# Altium PCB LimeSDR_Mini_1v1_Rounded_soldermask.PcbDoc (part 4 of 5) (continued)
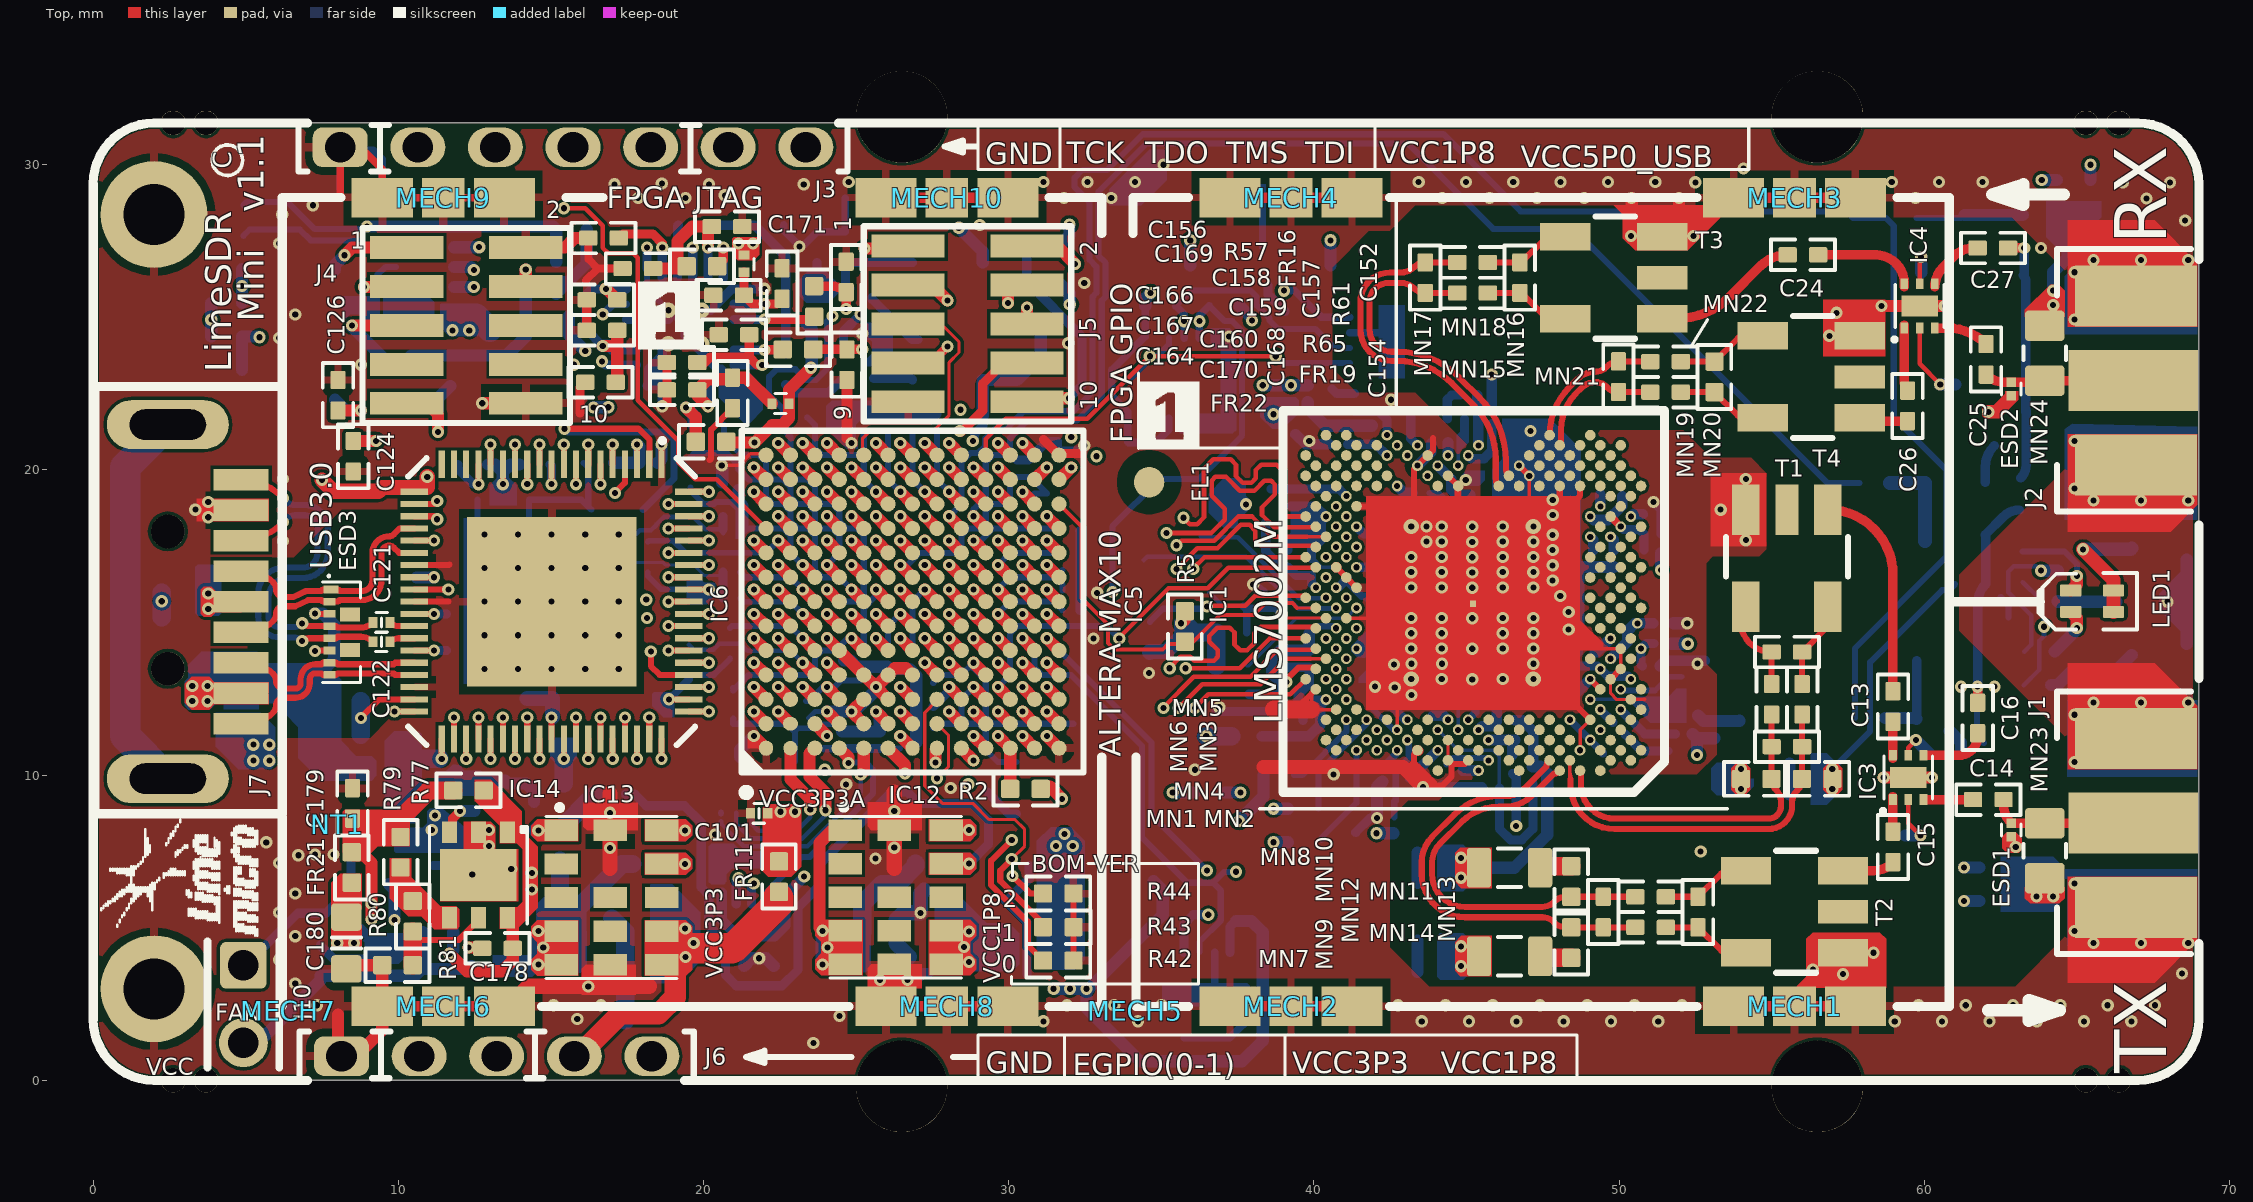
[diagram p0: Top view]
## Nets (pads, with @x,y where several pads share a name; then routed paths per layer and width w, separated by ;. In a path a pad name is that pad's centre, name@x,y a point inside that pad or via, vN(x,y) a via of type N, cw(c..) or ccw(c..) an arc to the next point about the centre after c; other vN are vias at no path point) (continued)
TX2_1_A_P: IC1.A9 MN10.1 MN11.2 MN12.1 | length 13.2
  Top w0.2: IC1.A9@48.057,10.151 48.022,10.116 cw(c47.864,10.274) 47.864,10.051 47.128,9.315 cw(c46.308,10.136) 46.308,8.975 46.075,8.975 ccw(c46.075,7.225) 44.837,8.462 44.125,7.75 ccw(c44.729,7.146) 43.875,7.146 43.875,6.76 ccw(c44.95,6.76) 44.95,5.685 47.495,5.685 ccw(c47.495,6.193) 47.854,5.834 47.886,5.866 cw(c48.246,5.507) 48.246,6.015 MN10.1@48.435,6.015 48.835,6.015 MN12.1@49.485,6.015 MN11.2@50.535,6.015
TX2_1_B_N: MN13.1 MN14.2 T2.4 | length 3.2
  Top w0.2: MN14.2@51.535,5.015 51.935,5.015 MN13.1@52.585,5.015 53.344,4.257 ccw(c53.975,4.888) T2.4@53.975,3.995 ; T2.4@53.605,3.995 T2.4@53.95,3.995
TX2_1_B_P: MN11.1 MN13.2 T2.6 | length 2.8
  Top w0.2: MN11.1@51.535,6.015 MN13.2@52.585,6.015 53.344,6.773 cw(c53.975,6.142) T2.6@53.975,7.035
TX_LB_AT: C19.1 IC5.K10 R17.2 | length 44.4
  Top w0.4: v2(28.85,18.485) IC5.K10@29.25,18.085
  Bottom w0.2: v2(28.85,18.485) 28.85,18.719 29.25,19.119 29.25,19.451 29.25,20.251 29.484,20.485 29.816,20.485 30.05,20.719 30.05,21.051 30.624,21.625 32.24,21.625 33.05,22.435 33.05,25.551 33.175,25.676 33.175,26.784 32.95,27.009 32.95,29.125 34.525,30.7 43.075,30.7 45.875,27.9 48.5,27.9 C19.1@56.825,19.575 R17.2@57.875,19.575
TX_LB_SH: C20.1 C23.1 IC5.J10 R22.1 R25.2 | length 62
  Top w0.4: v2(28.05,18.485) IC5.J10@28.45,18.085
  Bottom w0.2: v2(28.05,18.485) 28.45,18.885 28.45,20.251 28.749,20.55 28.991,20.55 29.225,20.784 29.225,21.026 29.525,21.326 29.901,21.326 30.5,21.925 32.116,21.925 32.75,22.559 32.75,25.675 32.875,25.8 32.875,26.66 32.65,26.885 32.65,28.775 32.159,29.266 32.159,29.575 32.419,29.835 33.236,29.835 34.401,31 44.25,31 46.775,28.475 57.45,28.475 C20.1@57.675,28.25 R22.1@58.75,28.25 59,28 59,21.725 60.725,20 60.725,17.15 57.725,14.15 R25.2@57.725,11.875
TXPLL_CLK: C152.2 IC1.E5 R61.1 | length 35.1
  Top w0.309: R61.1@23.625,26.025 24.192,26.025 cw(c24.192,25.342) C152.2@24.675,25.825 v1(24.675,25.275)
  L5 w0.1: v1(24.675,25.275) 24.675,23.975 ccw(c25.2,23.975) 25.2,23.45 25.789,23.45 cw(c25.789,22.615) 26.379,23.206 ccw(c27.238,24.064) 26.501,23.099 ccw(c27.238,24.064) 27.238,22.85 32.451,22.85 cw(c32.451,21.826) 33.175,22.55 33.231,22.494 ccw(c35.027,24.29) 35.027,21.75 36.148,21.75 cw(c36.148,19.21) 37.944,21.006 38.531,20.419 ccw(c40.327,22.215) 40.327,19.675 41.15,19.675 cw(c41.15,18.4) 42.425,18.4 42.425,16.525 ccw(c43.3,16.525) 43.3,15.65 47.325,15.65 cw(c47.325,15) 47.975,15 47.975,13.725 ccw(c49.974,13.725) 48.56,12.312 v3(49.389,11.483)
USB_D_N: ESD3.2 IC6.25 J7.2 | length 7.6
  Top w0.2: J7.2@4.85,14.685 5.022,14.685 ccw(c5.022,15.923) 5.897,15.047 ccw(c5.65,15.295) 6,15.295 cw(c6.24,15.295) 6.24,15.535 6.625,15.535 7.05,15.735 7.48,15.735 7.53,15.685 ESD3.2@7.742,15.685 ; ESD3.2@7.818,15.685 8.03,15.685 8.08,15.735 8.805,15.735 ccw(c8.805,16.38) 9.45,16.38 9.45,17.275 cw(c9.695,17.275) 9.695,17.52 ; 9.7,17.52 cw(c9.7,17.303) 9.853,17.457 10.025,17.285 IC6.25@10.525,17.285
USB_D_P: ESD3.1 IC6.23 J7.3 | length 8.2
  Top w0.2: J7.3@4.65,16.65 4.685,16.685 J7.3@4.85,16.685 J7.3@5.022,16.685 ; J7.3@5.39,16.685 J7.3@5.022,16.685 ; ESD3.1@7.742,16.085 7.53,16.085 7.48,16.035 6.975,16.035 6.55,15.835 6.24,15.835 cw(c6.24,16.075) 6,16.075 ccw(c5.65,16.075) 5.897,16.323 ccw(c5.022,15.447) J7.3@5.022,16.685 ; ESD3.1@7.818,16.085 8.03,16.085 8.08,16.035 8.805,16.035 ccw(c8.805,16.38) 9.15,16.38 9.15,17.275 cw(c9.7,17.275) 9.7,17.825 ccw(c9.7,18.042) 9.853,17.888 10.05,18.085 IC6.23@10.525,18.085
USB_GND: C125.2 ESD3.6 FR13.1 NT1.1 | length 1.3
  Top w0.2: v1(7.275,14.07) cw(c7.311,14.034) 7.311,14.085 ESD3.6@7.742,14.085
  Bottom w0.6: FR13.1@2.252,15.17 C125.2@2.252,15.975
  other v1: 2.25,15.7
USB_SSRX_N: ESD3.7 IC6.34 J7.8 | length 7.2
  Top w0.2: J7.8@5.39,13.685 J7.8@4.85,13.685 5.022,13.685 cw(c5.022,12.447) 5.897,13.323 cw(c5.65,13.075) 6,13.075 ccw(c6.24,13.075) 6.24,12.835 6.625,12.835 ccw(c6.625,13.01) 6.8,13.01 6.8,13.15 cw(c7.285,13.15) 7.285,13.635 7.48,13.635 7.53,13.685 ESD3.7@7.742,13.685 7.955,13.685 8.005,13.635 9.85,13.635 9.9,13.685 IC6.34@10.525,13.685
USB_SSRX_P: ESD3.8 IC6.35 J7.9 | length 6.7
  Top w0.2: J7.9@4.2,11.685 J7.9@4.372,11.685 ; J7.9@5.022,11.685 ccw(c5.022,12.923) 5.897,12.047 ccw(c5.65,12.295) 6,12.295 cw(c6.24,12.295) 6.24,12.535 6.625,12.535 ccw(c6.625,13.01) 7.1,13.01 7.1,13.15 cw(c7.285,13.15) 7.285,13.335 7.48,13.335 7.53,13.285 ESD3.8@7.742,13.285 7.955,13.285 8.005,13.335 9.85,13.335 9.9,13.285 IC6.35@10.525,13.285
USB_SSTX_N: C121.1 ESD3.4 J7.5 | length 11.5
  Top w0.2: J7.5@4.85,19.685 cw(c4.85,17.838) 6.156,19.144 v1(6.225,19.075) ; v1(6.85,14.975) ccw(c7.067,15.192) 7.067,14.885 ESD3.4@7.742,14.885 7.955,14.885 8.005,14.835 8.772,14.835 ccw(c8.772,15.398) C121.1@9.17,15 C121.1@9.153,15
  Bottom w0.2: v1(6.225,19.075) 6.335,18.965 ccw(c6.6,19.229) 6.6,18.855 6.935,18.855 cw(c6.935,18.1) 7.69,18.1 7.69,17.275 cw(c6.875,17.275) 6.875,16.46 6.385,16.46 ccw(c6.385,15.825) 5.75,15.825 5.75,15.205 ccw(c6.1,15.205) 6.1,14.855 6.56,14.855 ccw(c6.56,15.265) v1(6.85,14.975)
USB_SSTX_P: C122.1 ESD3.5 J7.6 | length 11.5
  Top w0.2: J7.6@4.85,17.685 ccw(c4.85,19.532) 6.156,18.226 v1(6.225,18.295) ; v1(6.85,14.395) cw(c7.067,14.178) 7.067,14.485 ESD3.5@7.742,14.485 7.955,14.485 8.005,14.535 8.772,14.535 cw(c8.772,13.972) C122.1@9.17,14.37 C122.1@9.153,14.37
  Bottom w0.2: v1(6.225,18.295) 6.335,18.405 cw(c6.6,18.141) 6.6,18.515 6.935,18.515 cw(c6.935,18.1) 7.35,18.1 7.35,17.275 cw(c6.875,17.275) 6.875,16.8 6.244,16.8 ccw(c6.244,15.966) 5.41,15.966 5.41,15.205 ccw(c6.1,15.205) 6.1,14.515 6.56,14.515 cw(c6.56,14.105) v1(6.85,14.395)
USB_SSTXI_N: C121.2 IC6.31 | length 0.8
  Top w0.2: C121.2@9.73,15 ccw(c10.008,15.278) 10.008,14.885 IC6.31@10.525,14.885
USB_SSTXI_P: C122.2 IC6.32 | length 0.8
  Top w0.2: C122.2@9.73,14.37 cw(c10.008,14.092) 10.008,14.485 IC6.32@10.525,14.485
USB_VBUS: C123.1 ESD3.3 FR12.1 J7.1 R50.2 | length 3.3
  Top w0.2: v1(7.275,15.3) ccw(c7.311,15.336) 7.311,15.285 ESD3.3@7.742,15.285
  Bottom w0.4: 7.238,13.137 7.9,13.8 7.9,14.925 7.525,15.3 v1(7.275,15.3)
  other v1: 3.25,12.425 3.75,12.425 3.25,12.925 3.75,12.925
VCC1P8: C108.2 C109.1 C110.1 C111.1 C173.2 C174.1 C181.2 FR16.1 FR20.1 IC5.F2 IC5.G3 IC11.8 IC12.7 IC12.8 J3.6 J4.4 J6.5 R34.2 R36.2 R37.1 R58.2 | length 114.3
  Top w0.4: J4.4@14.175,26.01 v1(14.175,26.565) ; v1(25.65,12.085) IC5.F2@26.05,11.685 ; v1(26.45,12.885) IC5.G3@26.85,12.485
  L4 w0.4: J6.5@18.311,0.675 24.2,0.675 25.725,2.2 27.101,2.2 v1@28.701,3.8
  L5 w0.25: v1@25.84,12.085 26.45,12.695 v1(26.45,12.885)
  L5 w0.4: v1(21.15,27.425) v1(21.625,27.425) 23.05,28.85 29.275,28.85 30.675,27.45 32.875,27.45 33.725,26.6 36.275,26.6 v1(37.975,24.9) ; v1@25.775,11.96 v1(25.65,12.085) v1@25.84,12.085
  L5 w0.5: v1(14.175,26.565) 13.06,25.45 11.3,25.45 10.525,24.675 10.525,22.125 9.875,21.475 9.875,12.9 9.325,12.35 9.325,11.857 9.875,11.307 9.875,10.122 10.5,9.497 10.5,7.98 10.83,7.65 11.647,7.65 12.847,8.85 15,8.85 15.634,8.216 17.672,8.216 18.481,9.025 20.95,9.025 23.26,6.715 26.89,6.715 27.225,7.05
  L5 w0.6: v1@25.675,12.05 25.775,11.95 25.775,9.325 25.65,9.2 25.65,8.5 25.925,8.225 26.75,8.225 27.225,7.75 27.225,7.05
  L5 w1.2: 27.425,6.875 28.539,5.761 v1@28.539,4.175
  L6 w0.5: v1(14.175,26.565) 14.665,26.565 16.46,28.36 20.94,28.36 ; J3.6@20.811,30.575 21.25,30.136 21.25,28.67 20.94,28.36 ; 21.4,27.5 21.3,27.6 21.3,28 21,28.3 20.94,28.36
  Bottom w0.17: 22.995,11.43 23.1,11.535 23.702,11.535 23.837,11.67 24.285,11.67 C110.1@24.525,11.43
  Bottom w0.2: R37.1@20.975,11.85 20.975,11.685 22.74,11.685 22.995,11.43 C108.2@22.995,10.45
  Bottom w0.35: IC11.8@20.6,6.15 20.6,5.25 21.125,4.725 C174.1@22.325,4.725 22.675,5.075 22.675,6.05 v1(23.3,6.675)
  Bottom w0.4: R34.2@10.425,23.75 13.55,23.75 14.175,24.375 v1(14.175,26.565) ; C110.1@24.544,11.43 C109.1@25.2,11.43 25.775,11.43 25.775,11.96 v1(25.65,12.085) ; R58.2@37.575,25.375 v1@37.9,25.05
  other v1: 28.701,3.875 28.539,4.365 28.701,4.875
VCC1P8_LMS: C3.1 C4.2 C5.1 C6.2 C7.1 C8.1 C9.2 C10.2 C175.2 FR1.2 FR2.1 FR3.1 FR4.2 FR5.2 FR6.2 FR7.2 FR8.2 FR20.2 MN1.2 MN2.2 MN7.2 MN8.2 R19.2 R26.2 R32.2 R33.1 | length 21.3
  Bottom w0.2: v1(56.985,10.2) 58.225,11.44 58.225,13.7 60.588,16.063 60.812,16.063 R19.2@61.012,16.262
  Bottom w0.35: FR4.2@45.826,22.076 v1(45.826,23.126) ; FR6.2@46.58,11.8 46.825,11.8 47.185,11.44 FR7.2@47.185,11.175 FR8.2@47.185,10.28
  Bottom w0.4: v1(38.325,22.776) R33.1@39.801,22.776 ; v1(42.056,8.096) R26.2@42.606,8.096 ; 45.142,6.967 46.567,6.967 47.65,8.05 47.65,10.05 47.42,10.28 FR8.2@47.175,10.28 ; v1(51.38,16.725) FR3.1@51.38,17.275 ; FR2.1@51.729,14.309 v1(52.254,14.309) ; FR1.2@52.411,11.351 FR1.2@52.555,11.207 ; v1(52.555,10.657) FR1.2@52.555,11.207 ; R32.2@53.121,11.207 FR1.2@52.555,11.207 ; C4.2@53.325,9.875 53.875,9.875
  other v1: 44.817,3.742 44.817,4.392 44.817,6.642 44.817,7.292 31.55,7.675 32.1,7.675 31.825,8.075 54,9.55 56.985,9.55 54,10.2 39.251,22.776
VCC3P3: C102.2 C103.1 C104.1 C105.1 C106.1 C107.1 C112.2 C113.1 C114.1 C115.1 C116.1 C117.1 C118.1 C119.1 C120.1 C128.2 C129.2 C130.1 C131.2 C132.1 C133.2 C134.1 C135.2 C136.1 C150.1 C162.1 C178.2 C182.2 FR11.1 FR22.1 IC5.C6 IC5.C7 IC5.C8 IC5.F7 IC5.F11 IC5.G6 IC5.G8 IC5.G11 IC5.H7 IC5.H11 IC5.J11 IC6.14 IC6.20 IC6.24 IC6.28 IC6.38 IC6.49 IC6.59 IC6.68 IC8.8 IC10.8 IC13.7 IC13.8 IC14.1 IC14.6 J6.4 LED1.1 LED1.2 LED2.A R14.1 R20.1 R35.1 R40.1 R45.1 R46.1 R47.1 R48.1 R49.1 R53.2 R54.2 R55.2 R64.1 R66.1 R71.1 R77.1 | length 155.6
  Top w0.2: v1(9.875,12.085) IC6.38@10.525,12.085 ; IC6.28@10.525,16.085 v1(11.64,16.085) ; IC6.24@10.525,17.685 v1(11.175,17.685) ; v1(13.425,19.535) IC6.14@13.425,20.185 ; v1(15.425,10.535) IC6.49@15.425,11.185 ; v1(18.875,12.485) IC6.59@19.525,12.485 ; IC6.68@19.525,16.085 v1(20.175,16.085)
  Top w0.4: v1(11.675,4.15) 12.25,3.575 13.4,3.575 13.75,3.925 13.75,5.475 13.975,5.475 14.375,5.875 v1(14.375,6.25) v1(14.375,6.8) 14.375,7.584 ; v1(19.425,22.05) 19.75,21.725 FR22.1@19.75,20.925 ; v1(23.25,15.285) IC5.C6@23.65,14.885 ; v1(23.25,16.085) IC5.C7@23.65,15.685 ; v1(23.25,16.885) IC5.C8@23.65,16.485 ; v1(25.65,16.085) IC5.F7@26.05,15.685 ; v1(25.65,19.285) IC5.F11@26.05,18.885 ; v1(26.45,15.285) IC5.G6@26.85,14.885 ; v1(26.45,16.885) IC5.G8@26.85,16.485 ; v1(26.45,19.285) IC5.G11@26.85,18.885 ; v1(27.25,16.085) IC5.H7@27.65,15.685 ; v1(27.25,19.285) IC5.H11@27.65,18.885 ; v1(28.05,19.285) IC5.J11@28.45,18.885
  Top w0.45: v1(65.2,17.4) 66.2,16.4 LED1.1@66.2,15.35
  Top w0.5: v1(7.5,19.675) 7.875,19.3 9.35,19.3 9.475,19.425 10.937,19.425 10.95,19.438 v1(10.95,19.775)
  Top w0.7: J6.4@15.768,0.795 15.894,0.795 17.274,2.175 18.525,2.175 19.075,2.725 IC13.7@19.075,3.825
  Top w1: 19.228,4.33 20.93,4.33 20.975,4.375 21.025,4.375 22.45,5.8 FR11.1@22.45,5.975
  L4 w0.45: v1(34.65,25.8) 34.725,25.875 v1(39.025,25.875) 40.025,26.875 57.975,26.875 58.925,27.825 61.4,27.825 61.975,27.25 ; v1(61.3,6.975) 61.3,10.25 65.525,14.475 65.525,17.075 v1(65.2,17.4) 65.2,17.425 61.475,21.15 61.475,25.525 61.975,26.025 61.975,27.25 ; v1(63.85,29.5) 63.85,29.125 61.975,27.25
  L4 w0.5: v1@3.9,24.925 7.5,21.325 v1(7.5,19.675)
  Bottom w0.19: R45.1@18.175,16.65 18.175,16.525 18.61,16.09 20.17,16.09 v1(20.175,16.085) ; C116.1@21.205,15.8 21.325,15.68 22.855,15.68 v1(23.25,15.285)
  Bottom w0.2: R48.1@19.525,13.175 19.525,13.285 20.341,13.285 20.875,13.819 R49.1@20.875,13.825 ; R47.1@19.575,19.425 19.575,19.319 20.009,18.885 20.347,18.885 20.412,18.95 20.878,18.95 20.88,18.948 21.15,18.948 ; C120.1@21.205,16.65 21.37,16.485 22.85,16.485 v1(23.25,16.085) ; 21.28,18.15 21.345,18.085 22.616,18.085 22.85,17.851 22.85,17.285 v1(23.25,16.885) ; C102.2@23.4,21.725 23.65,21.475 23.65,20.719 23.884,20.485 25.231,20.485 25.25,20.466 ; C113.1@25.25,14.08 25.25,15.475 25.65,15.875 v1(25.65,16.085) ; C117.1@25.27,21.266 25.25,21.246 25.25,20.466 ; v1(25.65,19.285) 25.25,19.685 25.25,20.466 ; C115.1@26.025,14.08 26.05,14.105 26.05,14.885 v1(26.45,15.285) ; C118.1@26.04,21.266 26.05,21.256 26.05,19.685 v1(26.45,19.285) ; v1(26.45,16.885) 26.684,16.885 27.084,17.285 28.216,17.285 28.45,17.519 28.45,17.851 28.684,18.085 29.016,18.085 29.25,18.319 29.25,18.651 29.484,18.885 29.816,18.885 30.05,19.119 30.05,19.545 C103.1@30.275,19.77 30.715,19.77 C112.2@31.25,19.235 30.85,19.235 C112.2@30.85,18.885 ; C119.1@26.75,14.055 26.85,14.155 26.85,15.685 v1(27.25,16.085) ; C114.1@26.86,21.266 26.85,21.256 26.85,19.685 v1(27.25,19.285) ; C107.1@27.65,21.27 27.65,19.685 v1(28.05,19.285)
  Bottom w0.25: v1(18.875,12.485) 19.525,13.135 R48.1@19.525,13.175 ; R66.1@34.475,25.375 34.475,24.375 33.375,23.275 33.375,22.425 R64.1@33.9,21.9 33.9,20.925 C162.1@33.925,20.9 34.825,20.9 35.25,21.325 IC8.8@35.25,21.525 IC8.8@35.25,21.7 ; v1(39.025,25.875) 39.375,25.875 C150.1@40.05,25.2 40.25,25 IC10.8@41.175,25
  Bottom w0.4: R55.2@3.875,24.375 v1(3.875,24.925) R35.1@3.875,25.475 ; v1(11.675,4.15) 11.8,4.275 R71.1@11.8,4.85 ; R54.2@12.95,20.175 13.175,20.175 13.425,19.925 ; v1(13.425,19.535) 13.425,19.925 ; R53.2@13.975,20.175 13.675,20.175 13.425,19.925 ; v1(19.425,22.05) 19.675,21.8 R46.1@19.675,21.475 ; C106.1@21.15,19.335 21.15,18.948 21.28,18.818 21.28,18.15 ; R40.1@31.6,26.175 32,25.775 v1(32,25.425) ; R66.1@34.475,25.375 34.475,25.625 v1(34.65,25.8) ; v1(61.3,6.975) R14.1@61.8,6.975 ; v1(63.85,29.5) R20.1@64.35,29.5
  Bottom w0.45: v1(65.2,17.4) 66.765,17.4 LED2.A@66.8,17.435
  Bottom w0.6: C128.2@15.425,9.725 v1(15.425,10.535)
  other v1: 19.415,4.04 19.678,4.505 19.4,4.975
VCC3P3_CLK: C184.2 FR17.1 FR19.1 FR22.2 R60.2 | length 19.4
  Top w0.4: FR22.2@20.75,20.925 20.77,20.905 v1(21.67,20.905) 21.692,20.905 22.255,21.468 22.574,21.468 22.805,21.699 FR19.1@22.805,22.175 22.805,22.63 v1(23.525,23.35)
  L3 w0.6: v1(16.4,22.05) 16.801,22.05 17.416,21.435 19.115,21.435 19.645,20.905 v1@21.575,20.905
  L5 w0.6: v1(11.775,24.575) 13.225,24.575 15.75,22.05 v1@16.775,22.05
  Bottom w0.4: v1@16.4,22.055 v1(16.88,22.055) ; R60.2@23.375,24.775 23.55,24.6 23.55,23.375 v1(23.525,23.35)
  Bottom w0.8: 11.775,25.05 12.55,25.05 C184.2@13,24.6
  other v1: 12.325,24.575
VCC3P3A: C95.2 C96.1 C97.1 C98.1 C99.1 C100.1 C101.1 FR11.2 IC5.D3 IC5.D4 IC5.D10 IC5.K4 IC5.K9 | length 40.4
  Top w0.4: v1(24.05,12.885) IC5.D3@24.45,12.485 ; v1(24.05,13.685) IC5.D4@24.45,13.285 ; v1(24.05,18.485) IC5.D10@24.45,18.085 ; v1(28.85,13.685) IC5.K4@29.25,13.285 ; v1(28.85,17.685) IC5.K9@29.25,17.285
  L3 w0.2: v1@23.938,12.763 24.962,12.763 25.484,13.285 28.45,13.285 v1(28.85,13.685) 29.25,14.085 29.25,17.285 v1(28.85,17.685) ; v1(24.05,13.685) 24.45,14.085 24.45,18.085 v1(24.05,18.485)
  L3 w0.4: v1(22.525,8.8) 22.525,10.325 23.5,11.3 23.5,12.325 23.938,12.763 24.05,12.875 v1(24.05,12.885) v1(24.05,13.685)
  L6 w0.4: v1(22.525,8.8) 22.525,10.475 23.225,11.175 23.225,12.06 v1(24.05,12.885)
  Bottom w0.2: C99.1@23.361,12.43 C99.1@23.45,12.43 23.905,12.885 v1(24.05,12.885) 24.29,12.885 C98.1@24.525,13.12 ; v1(24.05,13.685) 24.525,13.21 C98.1@24.525,13.12 ; C98.1@24.6,13.195 C98.1@24.525,13.12 ; C97.1@25.15,13.105 24.525,13.105 C98.1@24.525,13.12 ; C96.1@27.53,13.025 27.79,13.285 28.45,13.285 v1(28.85,13.685) 28.85,13.495 29.25,13.095 29.25,11.919 29.484,11.685 32.115,11.685 C95.2@32.125,11.675 ; v1(28.85,17.685) 29.085,17.685 29.25,17.85 ; 29.25,17.851 29.484,18.085 31.77,18.085 C100.1@31.77,18
  other v1: 23,8.8
VCC5P0_USB: C176.2 C177.2 FR12.2 IC12.1 IC12.4 IC12.5 IC13.4 IC13.5 J3.7 R15.1 R21.1 R41.1 R69.1 R76.2 R78.2 R84.1 | length 151.3
  Top w0.4: v1(23.899,4.9) 23.8,4.999 23.8,7.775 24.225,8.2 IC12.1@24.65,8.2
  L3 w0.6: 5.375,10.7 5.375,21.875 3.05,24.2 3.05,25.45 3.575,25.975 3.575,26.675 6.175,29.275 15.825,29.275 16.825,28.275 21.154,28.275 J3.7@23.354,30.475
  L4 w0.6: J3.7@23.354,30.575 24.469,30.575 25.694,29.35 30.275,29.35 31.584,28.041 v1(31.994,28.041) 33.891,28.041 34.625,28.775 36.25,28.775 36.8,29.325 42.697,29.325 43.712,28.31 56.96,28.31 59.025,30.375 65.075,30.375 v1(65.45,30) 65.45,28 64.125,26.675 63.825,26.675 63.238,26.088 63.238,25.788 62.8,25.35 62.8,21.85 64.425,20.225 65.35,20.225 66.4,19.175 66.4,12.25 65.35,11.2 64.2,11.2 62.35,9.35 62.35,6.6 61.628,5.878 v1(61.3,5.878)
  L4 w1.7: 5.8,10.75 6.175,10.75 11.425,5.5 13.125,5.5 14.275,4.35 v1(14.75,4.35) 16.725,4.35 18.225,2.85 22.8,2.85 23.875,3.925 v1@23.875,4.4
  Bottom w0.4: R41.1@31.594,27.291 31.994,27.691 v1(31.994,28.041) ; v1(61.3,5.878) R15.1@61.8,5.878 ; R21.1@65.45,29.5 v1(65.45,30)
  Bottom w0.6: R84.1@15.3,7.2 15.3,6.205 15.875,5.63 ; 15.875,4.75 15.875,5.63 ; R78.2@17.664,7.09 17.335,7.09 15.875,5.63 ; 25.2,4.85 25.2,5.775 25.85,6.425 26.351,6.425 26.95,7.024 R76.2@26.95,7.1
  other v1: 14.588,3.79 23.899,3.8 24.064,4.35 14.588,4.89 5.25,10.475 5.775,10.475 5.25,11 5.775,11
VD10_FT: C137.2 C138.2 C139.1 C140.1 C141.1 C142.1 C143.1 C144.1 FR14.1 IC6.3 IC6.30 IC6.33 IC6.39 IC6.48 | length 28.9
  Top w0.2: IC6.33@10.525,14.085 v1(11.175,14.085) ; IC6.30@10.525,15.285 v1(11.175,15.285) ; v1(11.425,10.535) IC6.39@11.425,11.185 ; IC6.48@15.025,11.185 v1@15.025,11.835 ; IC6.3@17.825,20.185 v1(17.825,20.835)
  L5 w0.5: v1@15,11.885 14.775,11.66 14.775,11.657 14.453,11.335 12.225,11.335 v1(11.425,10.535) 11.425,10.775 11.175,11.025 v1(11.175,15.285) 11.415,15.525 11.975,15.525 12.225,15.775 12.225,18.134 12.791,18.7 17.328,18.7 17.825,19.197 v1(17.825,20.835)
  Bottom w0.3: v1(11.175,14.085) C143.1@11.585,14.085 ; v1(11.175,15.285) C141.1@11.585,15.285
  Bottom w0.4: C142.1@17.075,20.235 C139.1@17.87,20.235 ; v1(17.825,20.835) 17.895,20.765 C139.1@17.895,20.235
  Bottom w0.5: C138.2@14.225,12.51 C140.1@15.05,12.51 v1@15.05,11.91
  Bottom w0.6: C137.2@10.4,10.535 v1@11.35,10.535 ; C144.1@10.475,9.775 C137.2@10.475,10.535
  other v1: 15.025,11.885
VDIO_LMS: C2.1 C180.2 FR21.2 IC2.8 R1.2 R2.2 R3.1 R4.1 R5.2 R12.1 R13.1 R27.1 R28.1 R29.1 R30.1 R31.1 | length 52.6
  Top w0.4: R2.2@31.05,9.625 31.35,9.625 v1(31.75,9.225) ; v1(35.65,14.978) 35.775,15.103 R5.2@35.775,15.375
  L6 w0.7: 11.415,3.11 15.235,3.11
  L6 w0.8: v1@8.175,4.5 10.025,4.5 11.415,3.11 ; 15.235,3.16 15.875,3.8 17.4,3.8 18.275,2.925 24.8,2.925 25.175,2.55 30.35,2.55 31,3.2 32.525,3.2
  Bottom w0.3: IC2.8@37.25,4.2 37.25,5.025 C2.1@37.45,5.225
  Bottom w0.4: v1(31.475,3) v1(32.013,3) v1(32.55,3) ; R13.1@34.75,6.525 35.05,6.225 R12.1@35.05,5.425 32.625,3 v1(32.55,3) ; R28.1@37.322,18.275 37.322,18.422 v1(37.775,18.875) 37.326,19.324 R27.1@37.326,19.371 ; C2.1@37.45,5.225 37.95,5.225 38.325,4.85 38.325,1.3 37.65,0.625 34.3,0.625 32.55,2.375 v1(32.55,3)
  Bottom w0.5: R4.1@34.625,14.025 34.625,14.053 35.175,14.053 35.8,14.678
  Bottom w0.6: 35.8,14.678 36.801,14.678 36.801,14.671 R3.1@36.8,13.575 ; v1(36.475,11.278) R30.1@37.3,11.278 ; 41.627,14.147 R31.1@42.001,14.521
  other v1: 8,4.5 8.55,4.5
  other v3: 41.401,14.146
VDIO_LMS_FPGA: C88.2 C89.1 C90.1 C91.1 C92.1 C93.1 C94.1 C179.2 FR18.1 FR21.1 IC5.J3 IC5.K3 IC5.L6 IC5.L7 IC5.L8 R77.2 R79.2 | length 87.3
  Top w0.4: FR21.1@8.725,7.525 9.118,7.132 v1(9.118,5.782) v1(9.118,5.275) ; v1(28.05,12.885) IC5.J3@28.45,12.485 ; v1(28.85,12.885) IC5.K3@29.25,12.485 ; v1(29.65,15.285) IC5.L6@30.05,14.885 ; v1(29.65,16.085) IC5.L7@30.05,15.685 ; v1(29.65,16.885) IC5.L8@30.05,16.485
  Top w0.6: 10.087,8.587 11,9.5 R77.2@11.8,9.5
  L5 w0.2: v1(28.85,12.885) 29.25,13.285 29.25,14.885 v1(29.65,15.285)
  L5 w0.4: v1(9.118,5.275) v1(9.118,5.782) 8.275,6.625 5.45,6.625 4.75,7.325 4.75,10.45 4.525,10.675 4.525,14.175 8.25,17.9 8.25,23.632 9.3,24.682 9.3,25.331 11.769,27.8 14.143,27.8 15.675,26.268 15.675,24.35 v1(16.125,23.9)
  L6 w0.4: v1@29.645,15.29 29.65,15.295 v1(29.65,16.885)
  L6 w0.5: v1@9.1,5.35 9.1,5.764 v1(9.118,5.782) 9.511,6.175 11.614,6.175 12.214,5.575 17.5,5.575 18.175,6.25 19.65,6.25 20.9,7.5 23.5,7.5 25.875,9.875 25.875,10.2 26.35,10.675 26.725,10.675 27.225,11.175 27.225,12.375 27.725,12.875 v1@28.85,12.875
  Bottom w0.2: C92.1@27.53,11.55 27.53,11.685 28.216,11.685 28.45,11.919 ; v1(28.85,12.885) 28.45,12.485 28.45,11.919 ; v1(29.65,15.285) 30.05,15.685 31.485,15.685 C91.1@31.77,15.4 ; v1(29.65,16.085) 30.05,16.485 31.53,16.485 ; v1(29.65,16.885) 30.05,17.285 31.77,17.285 C94.1@31.77,17.35 ; C88.2@30.25,10.425 29.65,10.425 29.25,10.825 29.25,11.451 29.016,11.685 28.684,11.685 28.45,11.919 ; C90.1@31.77,16.05 31.77,16.245 31.53,16.485 ; C89.1@31.77,16.725 31.53,16.485
  Bottom w0.3: C93.1@27.53,12.25 28.05,12.77 v1(28.05,12.885)
  Bottom w0.4: 15.595,25.05 15.595,24.43 v1(16.125,23.9)
VDIO_LMS_LMK: C164.2 C165.2 C166.2 C167.2 FR18.2 IC7.14 IC7.18 | length 6
  Top w0.4: v1(16.7,24.06) 17.04,24.06 ; v1(16.8,25.935) 16.815,25.935 C166.2@17.175,25.575 ; C164.2@17.125,22.875 17.175,22.925 17.175,23.925 17.04,24.06 ; C167.2@17.175,24.575 17.175,24.195 17.04,24.06
  Bottom w0.3: v1(16.7,24.06) 16.155,24.605 16.155,25.05 16.155,25.755 16.335,25.935 v1(16.8,25.935) IC7.18@17.475,25.935
pads on no net: C1.0 C2.0 C3.0 C4.0 C5.0 C6.0 C7.0 C8.0 C9.0 C10.0 C11.0 C12.0 C13.0 C14.0 C15.0 C16.0 C17.0 C18.0 C19.0 C20.0 C21.0 C22.0 C23.0 C24.0 C25.0 C26.0 C27.0 C28.0 C29.0 C87.0 C88.0 C95.0 C102.0 C108.0 C112.0 C123.0 C124.0 C125.0 C126.0 C127.0 C128.0 C137.0 C140.0 C142.0 C144.0 C145.0 C147.0 C148.0 C149.0 C150.0 C151.0 C152.0 C153.0 C154.0 C155.0 C156.0 C157.0 C158.0 C159.0 C160.0 C161.0 C162.0 C163.0 C164.0 C165.0 C166.0 C167.0 C168.0 C169.0 C170.0 C171.0 C172.0 C173.0 C174.0 C175.0 C176.0 C177.0 C178.0 C179.0 C180.0 C181.0 C182.0 C183.0 C184.0 ESD3.9 ESD3.10 FL1.1 FR11.0 FR12.0 FR13.0 FR14.0 FR20.0 FR21.0 FR22.0 IC1.A5 IC1.A13 IC1.A21 IC1.AA1 IC1.AA3 IC1.AA5 IC1.AB2 IC1.AB4 IC1.AB6 IC1.AC3 IC1.AC5 IC1.AD2 IC1.AE1 IC1.AE5 IC1.AG3 IC1.AG33 IC1.AH2 IC1.AH4 IC1.AH32 IC1.AJ1 IC1.AJ3 IC1.AJ5 IC1.AJ11 IC1.AJ13 IC1.AJ21 IC1.AJ27 IC1.AJ29 IC1.AJ31 IC1.AJ33 IC1.AK2 IC1.AK4 IC1.AK6 IC1.AK8 IC1.AK10 IC1.AK26 IC1.AK28 IC1.AK30 IC1.AK32 IC1.AK34 IC1.AL3 IC1.AL5 IC1.AL7 IC1.AL9 IC1.AL11 IC1.AL27 IC1.AL29 IC1.AL31 IC1.AL33 IC1.AM4 IC1.AM6 IC1.AM8 IC1.AM10 IC1.AM12 IC1.AM28 IC1.AM30 IC1.AM34 IC1.AN3 IC1.AN5 IC1.AN7 IC1.AN11 IC1.AN27 IC1.AN29 IC1.AN31 IC1.AP6 IC1.AP30 IC1.AP32 IC1.B2 IC1.B4 IC1.B12 IC1.B14 IC1.B22 IC1.C1 IC1.C3 IC1.C5 IC1.C9 IC1.C11 IC1.C13 IC1.C15 IC1.C17 IC1.C19 IC1.C31 IC1.D2 IC1.D4 IC1.D8 IC1.D10 IC1.D12 IC1.D14 IC1.D18 IC1.D22 IC1.D30 IC1.D32 IC1.E3 IC1.E9 IC1.E11 IC1.E13 IC1.E15 IC1.E23 IC1.E29 IC1.E31 IC1.F2 IC1.F4 IC1.F10 IC1.F12 IC1.F14 IC1.F16 IC1.F22 IC1.F26 IC1.F32 IC1.G1 IC1.G29 IC1.J1 IC1.M2 IC1.M6 IC1.P2 IC1.R3 IC1.R5 IC1.T4 IC1.T6 IC1.U1 IC1.U3 IC1.U5 IC1.V2 IC1.V4 IC1.V6 IC1.W3 IC1.Y2 IC1.Y4 IC1.Y6 IC6.17 IC6.18 IC6.19 IC7.4 IC7.9 IC7.10 IC7.15 IC8.9 IC12.2 IC12.3 IC12.9 IC12.13 IC12.14 IC13.2 IC13.3 IC13.9 IC13.13 IC13.14 J4.6 J4.7 J4.8 J7.11 LED1.0 LED2.0 MN1.0 MN2.0 MN3.0 MN4.0 MN5.0 MN6.0 MN7.0 MN8.0 MN9.0 MN10.0 MN11.0 MN12.0 MN13.0 MN14.0 MN15.0 MN16.0 MN17.0 MN18.0 MN19.0 MN20.0 MN21.0 MN22.0 MN23.0 MN24.0 R1.0 R2.0 R3.0 R4.0 R5.0 R6.0 R7.0 R8.0 R9.0 R10.0 R11.0 R12.0 R13.0 R14.0 R15.0 R16.0 R17.0 R18.0 R19.0 R20.0 R21.0 R22.0 R23.0 R24.0 R25.0 R27.0 R28.0 R29.0 R30.0 R31.0 R34.0 R35.0 R36.0 R37.0 R38.0 R39.0 R40.0 R41.0 R42.0 R43.0 R44.0 R45.0 R46.0 R47.0 R48.0 R49.0 R50.0 R51.0 R52.0 R53.0 R54.0 R55.0 R56.0 R57.0 R58.0 R59.0 R60.0 R61.0 R62.0 R63.0 R64.0 R65.0 R66.0 R67.0 R68.0 R69.0 R70.0 R71.0 R72.0 R73.0 R74.0 R75.0 R76.0 R77.0 R78.0 R79.0 R80.0 R81.0 R82.0 R83.0 R84.0 R85.0 T1.2 T2.2 T3.2 T4.2 VT4.0 XO1.2 XO1.3 XO1.5 XO1.8 XO1.10 XT1.0